# Allegro board IEM608_V10_211216.brd
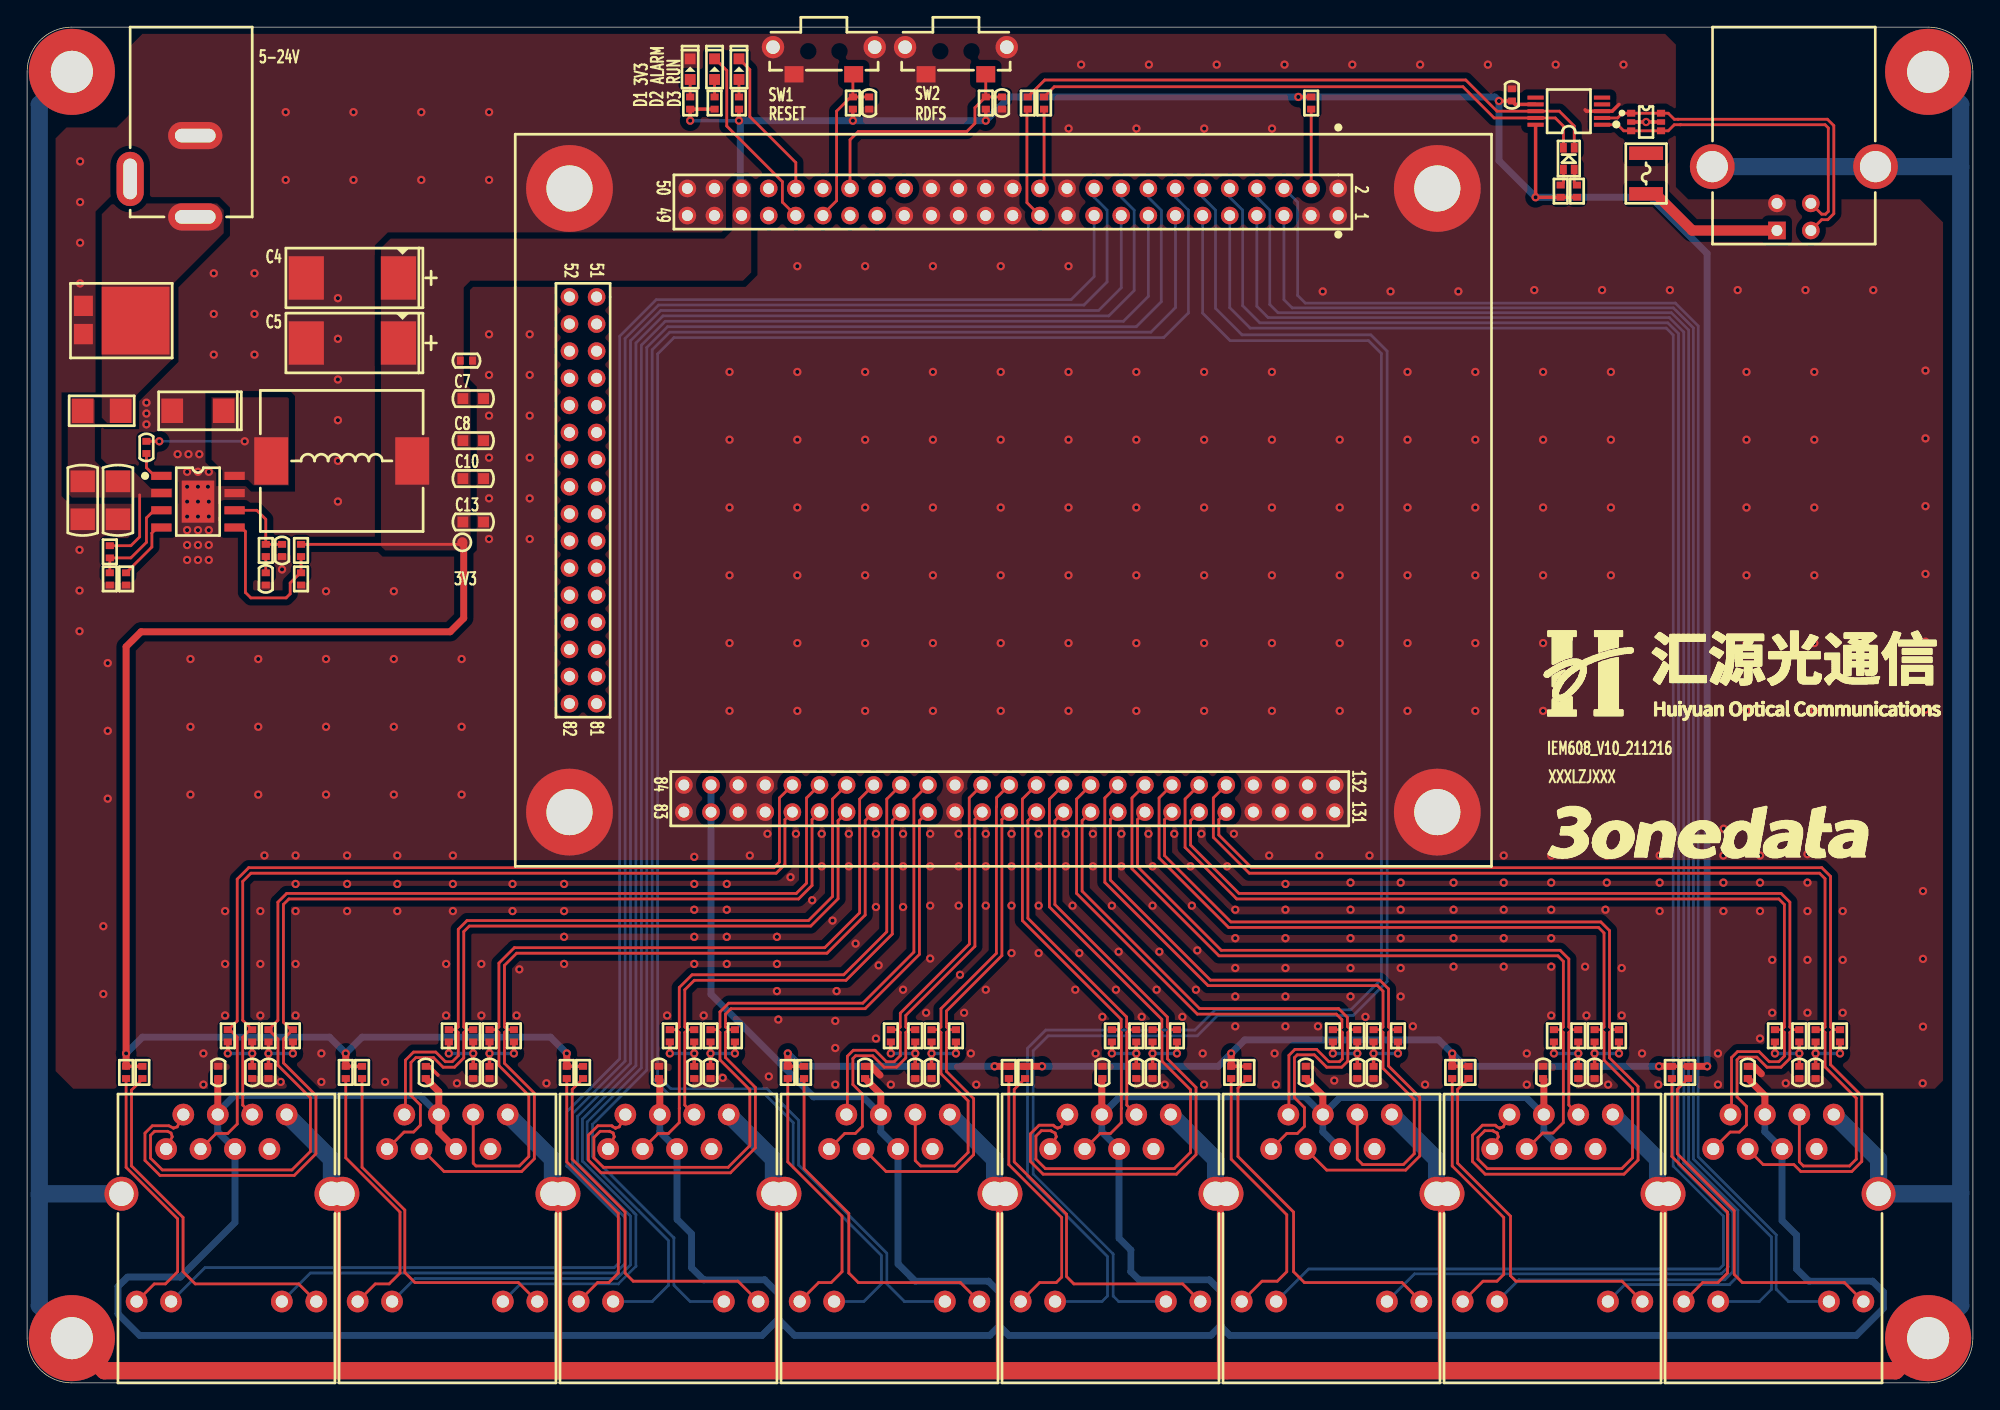
[diagram p0: board, top side]
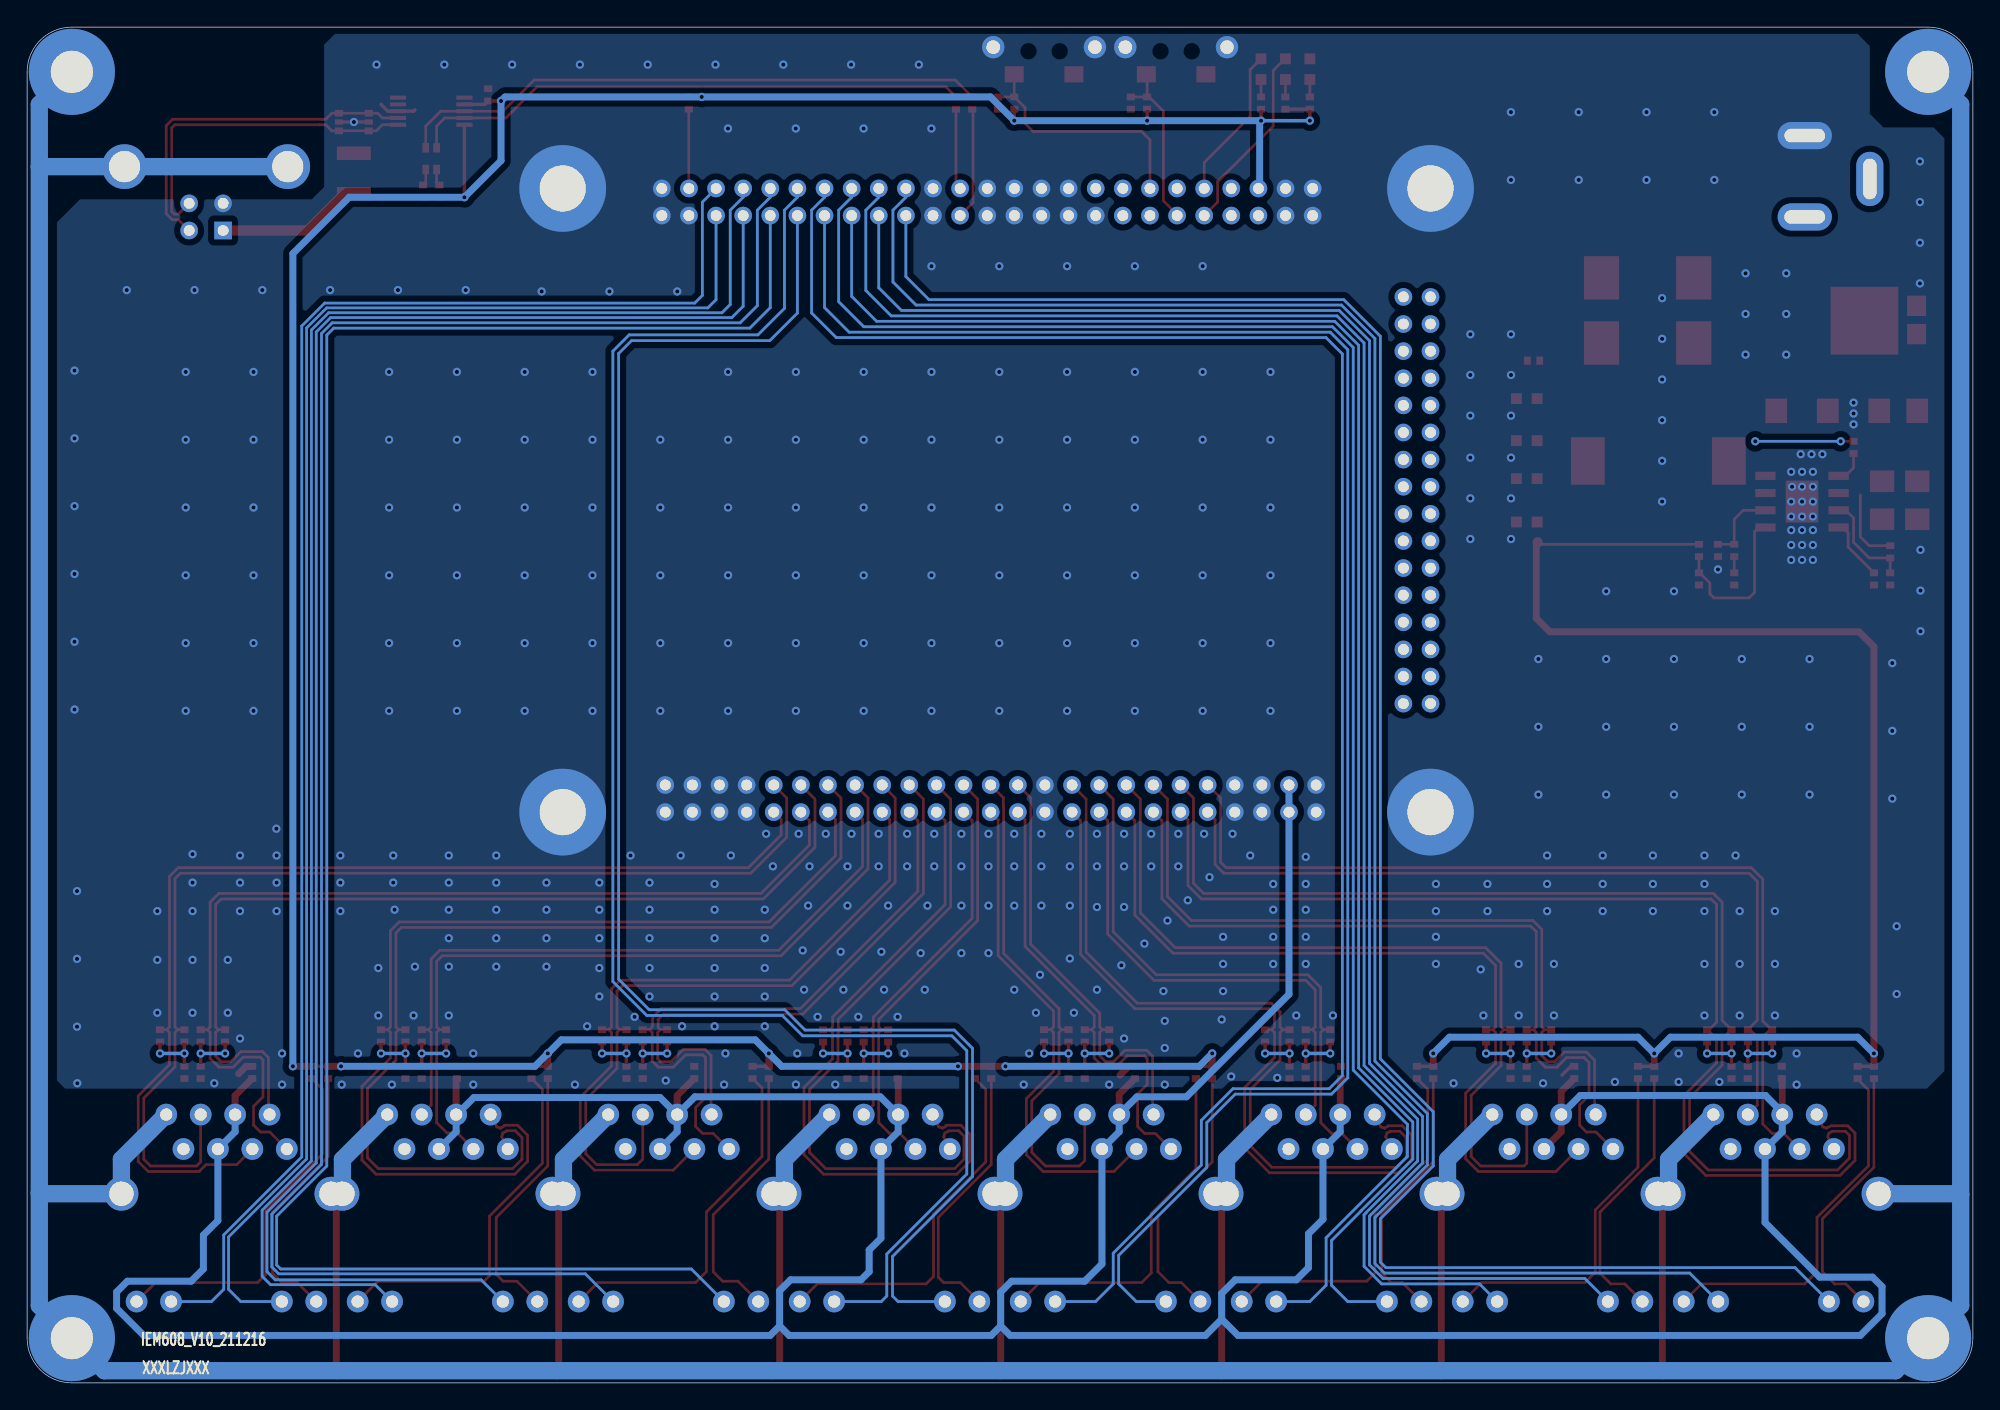
[diagram p1: board, bottom side, seen from below]

Outline 143.5 x 100 mm; copper layers: TOP, BOTTOM. Coordinates in mm from the lower left corner of the outline.
Outline path: 0,96.7 arc(0.97,99.03) 3.3,100 140.2,100 arc(142.53,99.03) 143.5,96.7 143.5,3.3 arc(142.53,0.97) 140.2,0 3.3,0 arc(0.97,0.97) 0,3.3 0,96.7

## Design rules (mm)
constraint set DEFAULT: min track width 0.203, pair gap 0.203
net group 1_RX: nets 1_RXN 1_RXP
net group 1_TX: nets 1_TXN 1_TXP
net group 2_RX: nets 2_RXN 2_RXP
net group 2_TX: nets 2_TXN 2_TXP
net group 3_RX: nets 3_RXN 3_RXP
net group 3_TX: nets 3_TXN 3_TXP
net group 4_RX: nets 4_RXN 4_RXP
net group 4_TX: nets 4_TXN 4_TXP
net group 5_RX: nets 5_RXN 5_RXP
net group 5_TX: nets 5_TXN 5_TXP
net group 6_RX: nets 6_RXN 6_RXP
net group 6_TX: nets 6_TXN 6_TXP
net group 7_RX: nets 7_RXN 7_RXP
net group 7_TX: nets 7_TXN 7_TXP
net group 8_RX: nets 8_RXN 8_RXP
net group 8_TX: nets 8_TXN 8_TXP
net group USB_D: nets USB_DN USB_DP

## Placement (name value [footprint] x y rotation side)
C1  100nF_50V  [C0402]  109.5 95 270 top
C2  100nF_50V  [C0402]  62.1 94.4 270 top
C3  100nF_50V  [C0402]  71.9 94.4 270 top
C4  100uF_10V_7343  [C7343E]  23.99 81.5 0 top
C5  100uF_10V_7343  [C7343E]  23.99 76.7 0 top
C6  100nF_50V  [C0402]  32.4 75.4 0 top
C7  10uF_10V  [C0603]  32.9 72.6 0 top
C8  10uF_10V  [C0603]  32.9 69.5 0 top
C9  100nF_50V  [C0402]  8.8 69 90 top
C10  10uF_10V  [C0603]  32.9 66.7 0 top
C11  10uF_50V  [C1206]  4.1 65.1 270 top
C12  10uF_50V  [C1206]  6.7 65.1 270 top
C13  10uF_10V  [C0603]  32.9 63.5 0 top
C14  47pF_50V  [C0402]  18.8 61.4 270 top
C15  10nF_50V  [C0402]  17.6 59.3 270 top
C16  100nF_50V  [C0402]  14.1 22.9 90 top
C17  100nF_50V  [C0402]  16.6 22.9 270 top
C18  100nF_50V  [C0402]  17.8 22.9 270 top
C19  100nF_50V  [C0402]  29.4 22.9 90 top
C20  100nF_50V  [C0402]  32.9 22.9 270 top
C21  100nF_50V  [C0402]  34.1 22.9 270 top
C22  100nF_50V  [C0402]  46.6 22.9 90 top
C23  100nF_50V  [C0402]  49.2 22.9 270 top
C24  100nF_50V  [C0402]  50.4 22.9 270 top
C25  100nF_50V  [C0402]  61.8 22.9 90 top
C26  100nF_50V  [C0402]  65.5 22.9 270 top
C27  100nF_50V  [C0402]  66.7 22.9 270 top
C28  100nF_50V  [C0402]  79.3 22.9 90 top
C29  100nF_50V  [C0402]  81.8 22.9 270 top
C30  100nF_50V  [C0402]  83 22.9 270 top
C31  100nF_50V  [C0402]  94.3 22.9 90 top
C32  100nF_50V  [C0402]  98.1 22.9 270 top
C33  100nF_50V  [C0402]  99.3 22.9 270 top
C34  100nF_50V  [C0402]  111.8 22.9 90 top
C35  100nF_50V  [C0402]  114.4 22.9 270 top
C36  100nF_50V  [C0402]  115.6 22.9 270 top
C37  100nF_50V  [C0402]  126.9 22.9 90 top
C38  100nF_50V  [C0402]  130.7 22.9 270 top
C39  100nF_50V  [C0402]  131.9 22.9 270 top
D1  GREEN-0603  [LED0603]  48.9 96.9 90 top
D2  GREEN-0603  [LED0603]  50.7 96.9 90 top
D3  GREEN-0603  [LED0603]  52.5 96.9 90 top
D4  -  [XL-2012SURUGC]  113.7 90.3 270 top
D5  V10P10  [TO-277A]  5.5 78.4 270 top
D6  SS56F  [SMAF]  12.6 71.7 0 top
DC1  -  [DC005]  12.4 92 270 top
F1  SMD1210-200  [FUSE1210]  119.4 89.2 90 top
F2  0469005.WR  [FUSE1206]  5.5 71.7 180 top
J1  -  [HR911105A]  14.7 10.9 270 top
J2  -  [HR911105A]  31 10.9 270 top
J3  -  [HR911105A]  47.3 10.9 270 top
J4  -  [HR911105A]  63.6 10.9 270 top
J5  -  [HR911105A]  79.9 10.9 270 top
J6  -  [HR911105A]  96.2 10.9 270 top
J7  -  [HR911105A]  112.5 10.9 270 top
J8  -  [HR911105A]  128.8 10.9 270 top
L1  SMMS1040-6R8  [L10040]  23.2 68 0 top
MH1  HOLD-M3/NI  [HOLD6R35X3R10]  3.3 96.7 0 top
MH2  HOLD-M3/NI  [HOLD6R35X3R10]  140.2 96.7 0 top
MH3  HOLD-M3/NI  [HOLD6R35X3R10]  3.3 3.3 0 top
MH4  HOLD-M3/NI  [HOLD6R35X3R10]  140.2 3.3 0 top
NOREF  -  []  0 0 90 top
NOREF#2  -  []  0 0 0 top
NOREF#3  -  []  0 0 0 top
NOREF#4  -  []  0 0 0 top
NOREF#5  -  []  0 0 90 top
NOREF#6  -  []  0 0 90 top
R1  1K  [R0402]  48.9 94.4 270 top
R2  1K  [R0402]  50.7 94.4 270 top
R3  1K  [R0402]  52.5 94.4 270 top
R4  10K  [R0402]  60.9 94.4 270 top
R5  10K  [R0402]  70.7 94.4 270 top
R6  1K  [R0402]  73.8 94.4 270 top
R7  1K  [R0402]  75 94.4 270 top
R8  10K  [R0402]  94.7 94.4 90 top
R9  1K  [R0402]  113.1 87.9 90 top
R10  1K  [R0402]  114.3 87.9 90 top
R11  10K  [R0402]  17.6 61.4 90 top
R12  31.6K  [R0402]  20.2 61.4 270 top
R13  300K  [R0402]  6.1 61.3 90 top
R14  75K  [R0402]  6.1 59.3 90 top
R15  162K  [R0402]  7.3 59.3 90 top
R16  10K  [R0402]  20.2 59.3 270 top
R17  49.9R  [R0402]  14.8 25.6 270 top
R18  49.9R  [R0402]  16.6 25.6 270 top
R19  49.9R  [R0402]  17.8 25.6 270 top
R20  49.9R  [R0402]  19.6 25.6 270 top
R21  49.9R  [R0402]  31.1 25.6 270 top
R22  49.9R  [R0402]  32.9 25.6 270 top
R23  49.9R  [R0402]  34.1 25.6 270 top
R24  49.9R  [R0402]  35.9 25.6 270 top
R25  49.9R  [R0402]  47.4 25.6 270 top
R26  49.9R  [R0402]  49.2 25.6 270 top
R27  49.9R  [R0402]  50.4 25.6 270 top
R28  49.9R  [R0402]  52.2 25.6 270 top
R29  49.9R  [R0402]  63.7 25.6 270 top
R30  49.9R  [R0402]  65.5 25.6 270 top
R31  49.9R  [R0402]  66.7 25.6 270 top
R32  49.9R  [R0402]  68.5 25.6 270 top
R33  49.9R  [R0402]  80 25.6 270 top
R34  49.9R  [R0402]  81.8 25.6 270 top
R35  49.9R  [R0402]  83 25.6 270 top
R36  49.9R  [R0402]  84.8 25.6 270 top
R37  49.9R  [R0402]  96.3 25.6 270 top
R38  49.9R  [R0402]  98.1 25.6 270 top
R39  49.9R  [R0402]  99.3 25.6 270 top
R40  49.9R  [R0402]  101.1 25.6 270 top
R41  49.9R  [R0402]  112.6 25.6 270 top
R42  49.9R  [R0402]  114.4 25.6 270 top
R43  49.9R  [R0402]  115.6 25.6 270 top
R44  49.9R  [R0402]  117.4 25.6 270 top
R45  49.9R  [R0402]  128.9 25.6 270 top
R46  49.9R  [R0402]  130.7 25.6 270 top
R47  49.9R  [R0402]  131.9 25.6 270 top
R48  49.9R  [R0402]  133.7 25.6 270 top
R49  1K  [R0402]  7.3 22.9 270 top
R50  1K  [R0402]  8.5 22.9 270 top
R51  1K  [R0402]  23.5 22.9 270 top
R52  1K  [R0402]  24.7 22.9 270 top
R53  1K  [R0402]  39.8 22.9 270 top
R54  1K  [R0402]  41 22.9 270 top
R55  1K  [R0402]  56.1 22.9 270 top
R56  1K  [R0402]  57.3 22.9 270 top
R57  1K  [R0402]  72.4 22.9 270 top
R58  1K  [R0402]  73.6 22.9 270 top
R59  1K  [R0402]  88.8 22.9 270 top
R60  1K  [R0402]  90 22.9 270 top
R61  1K  [R0402]  105.1 22.9 270 top
R62  1K  [R0402]  106.3 22.9 270 top
R63  1K  [R0402]  121.3 22.9 270 top
R64  1K  [R0402]  122.5 22.9 270 top
SW1  -  [K2-1112SW-A4SW-04]  58.76 98.22 0 top
SW2  -  [K2-1112SW-A4SW-04]  68.5 98.22 0 top
TP1  TP/NI  [TP-0R75]  32.1 62 0 top
U1  CH340E  [MSOP10]  113.7 93.8 90 top
U2  TPD4E1U06DCKR  [SOT363]  119.4 93 270 top
U3  -  [IEM608]  72 65.1 270 top
U4  TPS54340BDDAR  [SOIC8-3R10X2R40]  12.6 65 270 top
USB1  -  [USB-B]  130.3 85 90 top

## Library data of the parts
C1 C6 C16-C39 = CAP NP_2
C2 C3 = CAP NP
C4 C5 = TMP_154254
C7-C15 = CAP NP_3
D1-D3 = LED_4
D4 = XL-2012SURUGC
D5 = DIODE13_6
D6 = BZX84C15/SOT_2
DC1 = DC005
F1 F2 = FUSE
J1-J8 = CON_RJ45_1X8_F_RA_0
L1 = INDUCTOR_0
MH1-MH4 = Hold_1
R1-R64 = R_Generic
SW1 SW2 = SWITCH-SPST-4P
TP1 = TestPoint
U1 = CH340E
U2 = TPD4E1U06DBVR
U3 = IEM608_1
U4 = TPS54340DDAR
USB1 = USB-B

## Footprints (pads in the part's own frame, mm; a bottom-side part is the same pattern mirrored in y, then rotated)
C0402
  rect 0.5x0.6 smd: 1(-0.45,0) 2(0.45,0)
C0603
  rect 0.8x0.8 smd: 1(-0.762,0) 2(0.762,0)
C1206
  rect 1.6x1.8 smd: 1(-1.4,0) 2(1.4,0)
C7343E
  rect 2.6x3.2 smd: 1(3.4,0) 2(-3.4,0)
DC005
  oval 2x4 hole 1x3: 1(6,0) 2(0,0)
  oval 4x2 hole 3x1: 3(3.2,-4.8)
FUSE1206
  rect 1.6x1.8 smd: 1(-1.4,0) 2(1.4,0)
FUSE1210
  rect 1x2.5 smd: 1(-1.5,0) 2(1.5,0)
HOLD6R35X3R10
  round 6.35 hole 3.1: 1(0,0)
HR911105A
  round 1.6 hole 0.9: 1(-6.35,-4.45) 2(-8.89,-3.18) 3(-6.35,-1.91) 4(-8.89,-0.64) 5(-6.35,0.63) 6(-8.89,1.9) 7(-6.35,3.17) 8(-8.89,4.44) 9(4.9,-6.625) 10(4.9,-4.085) 11(4.9,4.085) 12(4.9,6.625)
  round 2.5 hole 1.8: 13(-3.05,-7.745) 14(-3.05,7.745)
IEM608
  round 1.3 hole 0.8: 1(-21,24.691) 2(-23,24.691) 3(-21,22.691) 4(-23,22.691) 5(-21,20.691) 6(-23,20.691) 7(-21,18.691) 8(-23,18.691) 9(-21,16.691) 10(-23,16.691) 11(-21,14.691) 12(-23,14.691) 13(-21,12.691) 14(-23,12.691) 15(-21,10.691) 16(-23,10.691) 17(-21,8.691) 18(-23,8.691) 19(-21,6.691) 20(-23,6.691) 21(-21,4.691) 22(-23,4.691) 23(-21,2.691) 24(-23,2.691) 25(-21,0.691) 26(-23,0.691) 27(-21,-1.309) 28(-23,-1.309) 29(-21,-3.309) 30(-23,-3.309) 31(-21,-5.309) 32(-23,-5.309) 33(-21,-7.309) 34(-23,-7.309) 35(-21,-9.309) 36(-23,-9.309) 37(-21,-11.309) 38(-23,-11.309) 39(-21,-13.309) 40(-23,-13.309) 41(-21,-15.309) 42(-23,-15.309) 43(-21,-17.309) 44(-23,-17.309) 45(-21,-19.309) 46(-23,-19.309) 47(-21,-21.309) 48(-23,-21.309) 49(-21,-23.309) 50(-23,-23.309) 51(-15,-30) 52(-15,-32) 53(-13,-30) 54(-13,-32) 55(-11,-30) 56(-11,-32) 57(-9,-30) 58(-9,-32) 59(-7,-30) 60(-7,-32) 61(-5,-30) 62(-5,-32) 63(-3,-30) 64(-3,-32) 65(-1,-30) 66(-1,-32) 67(1,-30) 68(1,-32) 69(3,-30) 70(3,-32) 71(5,-30) 72(5,-32) 73(7,-30) 74(7,-32) 75(9,-30) 76(9,-32) 77(11,-30) 78(11,-32) 79(13,-30) 80(13,-32) 81(15,-30) 82(15,-32) 83(23,-23.563) 84(21,-23.563) 85(23,-21.563) 86(21,-21.563) 87(23,-19.563) 88(21,-19.563) 89(23,-17.563) 90(21,-17.563) 91(23,-15.563) 92(21,-15.563) 93(23,-13.563) 94(21,-13.563) 95(23,-11.563) 96(21,-11.563) 97(23,-9.563) 98(21,-9.563) 99(23,-7.563) 100(21,-7.563) 101(23,-5.563) 102(21,-5.563) 103(23,-3.563) 104(21,-3.563) 105(23,-1.563) 106(21,-1.563) 107(23,0.437) 108(21,0.437) 109(23,2.437) 110(21,2.437) 111(23,4.437) 112(21,4.437) 113(23,6.437) 114(21,6.437) 115(23,8.437) 116(21,8.437) 117(23,10.437) 118(21,10.437) 119(23,12.437) 120(21,12.437) 121(23,14.437) 122(21,14.437) 123(23,16.437) 124(21,16.437) 125(23,18.437) 126(21,18.437) 127(23,20.437) 128(21,20.437) 129(23,22.437) 130(21,22.437) 131(23,24.437) 132(21,24.437)
  round 6.4 hole 3.4: 133(-23,-32) 134(23,-32) 135(23,32) 136(-23,32)
K2-1112SW-A4SW-04
  round 1.65 hole 1: 1(-3.75,0.3) 4(3.75,0.3)
  rect 1.4x1.2 smd: 2(-2.2,-1.7) 3(2.2,-1.7)
L10040
  rect 2.5x3.5 smd: 1(-5.2,0) 2(5.2,0)
LED0603
  rect 0.8x0.8 smd: 1(-0.762,0) 2(0.762,0)
MSOP10
  rect 0.3x1.2 smd: 1(-1,-2.45) 2(-0.5,-2.45) 3(0,-2.45) 4(0.5,-2.45) 5(1,-2.45) 6(1,2.45) 7(0.5,2.45) 8(0,2.45) 9(-0.5,2.45) 10(-1,2.45)
R0402
  rect 0.5x0.6 smd: 1(-0.45,0) 2(0.45,0)
SMAF
  rect 1.6x1.8 smd: 1(-1.9,0) 2(1.9,0)
SOIC8-3R10X2R40
  rect 0.6x1.5 smd: 1(-1.9,-2.7) 2(-0.63,-2.7) 3(0.64,-2.7) 4(1.91,-2.7) 5(1.91,2.7) 6(0.64,2.7) 7(-0.63,2.7) 8(-1.9,2.7)
  rect 3.1x2.4 smd: 9(0,0)
SOT363
  rect 0.5x0.6 smd: 1(-0.65,-1.1) 3(0.65,-1.1) 4(0.65,1.1) 6(-0.65,1.1)
  rect 0.4x0.6 smd: 2(0,-1.1) 5(0,1.1)
TO-277A
  rect 1.5x1.4 smd: 1(-1.04,-1.35) 2(1.04,-1.35)
  rect 5x5 smd: 3(0.05,2.5)
TP-0R75
  round 0.75 smd: 1(0,0)
USB-B
  rect 1.3x1.3 hole 0.8: 1(0,1.25)
  round 1.3 hole 0.8: 2(0,-1.25) 3(2,-1.25) 4(2,1.25)
  round 3.3 hole 2.3: 5(4.71,6.02) 6(4.71,-6.02)
XL-2012SURUGC
  rect 0.7x0.5 smd: 1(-0.8,0.4) 2(0.8,0.4) 3(-0.8,-0.4) 4(0.8,-0.4)

## Nets
GND: C1.1 C2.2 C3.2 C4.2 C5.2 C6.2 C7.2 C8.2 C10.2 C11.2 C12.2 C13.2 C14.2 C15.2 C16.2 C17.2 C18.2 C19.2 C20.2 C21.2 C22.2 C23.2 C24.2 C25.2 C26.2 C27.2 C28.2 C29.2 C30.2 C31.2 C32.2 C33.2 C34.2 C35.2 C36.2 C37.2 C38.2 C39.2 D1.2(CATHODE) D5.1 D5.2 D6.1 DC1.2 R14.1 R15.1 R16.2 SW1.1 SW1.2 SW1.4 SW2.1 SW2.2 SW2.4 U1.3 U2.2 U2.5(NC) U3.1 U3.2 U3.3 U3.21 U3.22 U3.25 U3.26 U3.27 U3.28 U3.29 U3.30 U3.31 U3.32 U3.33 U3.47 U3.48 U3.49 U3.50 U3.83 U3.84 U3.87 U3.88 U3.89 U3.90 U3.103 U3.104 U3.125 U3.126 U3.127 U3.128 U3.129 U3.130 U3.131 U3.132 U3.133 U3.134 U3.135 U3.136 U4.7 U4.9 USB1.4
GND_EARTH: J1.8 J1.13 J1.14 J2.8 J2.13 J2.14 J3.8 J3.13 J3.14 J4.8 J4.13 J4.14 J5.8 J5.13 J5.14 J6.8 J6.13 J6.14 J7.8 J7.13 J7.14 J8.8 J8.13 J8.14 MH1.1 MH2.1 MH3.1 MH4.1 USB1.5 USB1.6
VCC_3.3V: C1.2 C4.1 C5.1 C6.1 C7.1 C8.1 C10.1 C13.1 L1.2 R1.2 R2.2 R3.2 R4.2 R5.2 R8.2 R9.1 R10.1 R12.1 R49.1 R50.1 R51.1 R52.1 R53.1 R54.1 R55.1 R56.1 R57.1 R58.1 R59.1 R60.1 R61.1 R62.1 R63.1 R64.1 TP1.1 U1.7(VCC) U1.10 U3.45 U3.46(VIN2)
VCC_24V: C11.1 C12.1 F2.2 R13.2 U4.2(VIN)
VCC_USB_5V: F1.2
VCC_VCT25: C16.1 C19.1 C22.1 C25.1 C28.1 C31.1 C34.1 C37.1 J1.4 J1.5 J2.4 J2.5 J3.4 J3.5 J4.4 J4.5 J5.4 J5.5 J6.4 J6.5 J7.4 J7.5 J8.4 J8.5 U3.85 U3.86
VCC_VIN: D5.3(CATHODE) DC1.1 F2.1
1_RXN: J1.6 R18.1 U3.91
1_RXP: J1.3 R17.1 U3.92
1_TXN: J1.2 R20.1 U3.93
1_TXP: J1.1(TXP1) R19.1 U3.94
2_RXN: J2.6 R23.1 U3.98
2_RXP: J2.3 R24.1 U3.97
2_TXN: J2.2 R21.1 U3.96
2_TXP: J2.1(TXP1) R22.1 U3.95
3_RXN: J3.6 R26.1 U3.99
3_RXP: J3.3 R25.1 U3.100
3_TXN: J3.2 R28.1 U3.101
3_TXP: J3.1(TXP1) R27.1 U3.102
4_RXN: J4.6 R31.1 U3.108
4_RXP: J4.3 R32.1 U3.107
4_TXN: J4.2 R29.1 U3.106
4_TXP: J4.1(TXP1) R30.1 U3.105
5_RXN: J5.6 R34.1 U3.109
5_RXP: J5.3 R33.1 U3.110
5_TXN: J5.2 R36.1 U3.111
5_TXP: J5.1(TXP1) R35.1 U3.112
6_RXN: J6.6 R39.1 U3.116
6_RXP: J6.3 R40.1 U3.115
6_TXN: J6.2 R37.1 U3.114
6_TXP: J6.1(TXP1) R38.1 U3.113
7_RXN: J7.6 R42.1 U3.117
7_RXP: J7.3 R41.1 U3.118
7_TXN: J7.2 R44.1 U3.119
7_TXP: J7.1(TXP1) R43.1 U3.120
8_RXN: J8.6 R47.1 U3.124
8_RXP: J8.3 R48.1 U3.123
8_TXN: J8.2 R45.1 U3.122
8_TXP: J8.1(TXP1) R46.1 U3.121
ALARM_LED: D2.2(CATHODE) U3.41
CH340E_RXD: D4.3 R7.1 U1.9
CH340E_TXD: D4.1(R-) R6.1 U1.8
LINK1: J1.11 U3.20
LINK2: J2.11 U3.18
LINK3: J3.11 U3.16
LINK4: J4.11 U3.14
LINK5: J5.11 U3.12
LINK6: J6.11 U3.10
LINK7: J7.11 U3.8
LINK8: J8.11 U3.6
RDFS: C3.1 R5.1 SW2.3 U3.38
RESET: C2.1 R4.1 SW1.3 U3.39
RUN_LED: D3.2(CATHODE) U3.42
RXD: R6.2 U3.23
SPEED1: J1.10 U3.19
SPEED2: J2.10 U3.17
SPEED3: J3.10 U3.15
SPEED4: J4.10 U3.13
SPEED5: J5.10 U3.11
SPEED6: J6.10 U3.9
SPEED7: J7.10 U3.7
SPEED8: J8.10 U3.5
TXD: R7.2 U3.24
USB_DN: U1.2 U2.1 U2.6 USB1.2
USB_DP: U1.1 U2.3 U2.4 USB1.3
N17243835: J1.9 R49.2
N17243925: C18.1 R19.2 R20.2
N17244178: C17.1 R17.2 R18.2
N17244218: R8.1 U3.4
N17244260: J1.12 R50.2
N17245776: D3.1 R3.1
N17245842: D1.1 R1.1
N17259643: D2.1 R2.1
N17264393: J2.9 R51.2
N17264424: C20.1 R21.2 R22.2
N17264495: C21.1 R23.2 R24.2
N17264552: J2.12 R52.2
N17265098: J3.9 R53.2
N17265129: C24.1 R27.2 R28.2
N17265200: C23.1 R25.2 R26.2
N17265257: J3.12 R54.2
N17265849: J4.9 R55.2
N17265880: C26.1 R29.2 R30.2
N17265951: C27.1 R31.2 R32.2
N17266008: J4.12 R56.2
N17267896: J5.9 R57.2
N17267927: C30.1 R35.2 R36.2
N17267998: C29.1 R33.2 R34.2
N17268055: J5.12 R58.2
N17268110: J6.9 R59.2
N17268141: C32.1 R37.2 R38.2
N17268212: C33.1 R39.2 R40.2
N17268269: J6.12 R60.2
N17268324: J7.9 R61.2
N17268355: C36.1 R43.2 R44.2
N17268426: C35.1 R41.2 R42.2
N17268483: J7.12 R62.2
N17268538: J8.9 R63.2
N17268569: C38.1 R45.2 R46.2
N17268640: C39.1 R47.2 R48.2
N17268697: J8.12 R64.2
N17279105: F1.1 USB1.1(VBUS)
N17279741: D4.4 R9.2
N17279744: D4.2 R10.2
N17285725: C9.1 U4.1
N17285729: C9.2 D6.2(CATHODE) L1.1 U4.8
N17285842: R12.2 R16.1 U4.5
N17285882: R13.1 R14.2 U4.3
N17285886: C14.1 R11.2 U4.6
N17285910: R15.2 U4.4
N17285968: C15.1 R11.1

Pads without a net: DC1 3; J1 7; J2 7; J3 7; J4 7; J5 7; J6 7; J7 7; J8 7; U1 4 5 6; U3 34 35 36 37 40 43 44 51 52 53 54 55 56 57 58 59 60 61 62 63 64 65 66 67 68 69 70 71 72 73 74 75 76 77 78 79 80 81 82

## Via types
v1: diameter 0.61, hole 0.305, TOP to BOTTOM, 494 vias

## Routing (per net, layer and track width the routed paths; a pad name or vN(x,y) marks a point on that pad's centre or on a via; arc(x,y) is an arc through that point)
GND: length 8.7
  TOP w0.254: 30.3,22.7 29.65,23.35 C19.2 ; U2.5 v1(119.4,93) U2.2 ; 114.9,93.9 115,93.8 U1.3 116.9,93.8 117.4,94.3
  TOP w0.508: C37.2 127.35,23.35 127.9,22.8 ; C25.2 62.25,23.35 62.9,22.7
  vias: v1(3.91,90.1) v1(3.91,87.1) v1(3.91,84.1) v1(3.91,81.1) v1(3.87,61.44) v1(3.87,58.44) v1(3.87,55.44) v1(5.62,33.68) v1(5.62,28.68) v1(5.95,53.09) v1(5.95,48.09) v1(5.95,43.09) v1(8.8,72.3) v1(8.8,71.5) v1(8.8,70.7) v1(11.1,68.5) v1(11.8,67.2) v1(11.8,66.1) v1(11.8,65) v1(11.8,63.9) v1(11.8,62.9) v1(11.8,61.8) v1(11.8,60.7) v1(11.9,68.5) v1(12.05,53.39) v1(12.05,48.39) v1(12.05,43.39) v1(12.6,67.2) v1(12.6,66.1) v1(12.6,65) v1(12.6,63.9) v1(12.6,62.9) v1(12.6,61.8) v1(12.6,60.7) v1(12.7,68.5) v1(13,24.3) v1(13,22) v1(13.34,66.1) v1(13.4,67.2) v1(13.4,65) v1(13.4,63.9) v1(13.4,62.9) v1(13.4,61.8) v1(13.4,60.7) v1(13.77,81.84) v1(13.77,78.84) v1(13.77,75.84) v1(14.6,34.8) v1(14.6,30.9) v1(14.6,27.1) v1(16.77,81.84) v1(16.77,78.84) v1(16.77,75.84) v1(17.05,53.39) v1(17.05,48.39) v1(17.05,43.39) v1(17.2,34.8) v1(17.2,30.9) v1(17.2,27.1) v1(17.5,38.9) v1(18.7,22.2) v1(18.8,60) v1(19.07,93.73) v1(19.07,88.73) v1(19.8,38.9) v1(19.8,36.8) v1(19.8,34.8) v1(19.8,30.9) v1(19.8,27.1) v1(21.7,24.3) v1(21.7,22.2) v1(22.05,58.39) v1(22.05,53.39) v1(22.05,48.39) v1(22.05,43.39) v1(22.92,80.01) v1(22.92,77.01) v1(22.92,74.01) v1(22.92,71.01) v1(22.92,68.01) v1(22.92,65.01) v1(23.6,38.9) v1(23.6,36.8) v1(23.6,34.8) v1(24.07,93.73) v1(24.07,88.73) v1(26.4,22.2) v1(27.05,58.39) v1(27.05,53.39) v1(27.05,48.39) v1(27.05,43.39) v1(27.3,38.9) v1(27.3,36.8) v1(27.3,34.8) v1(29.07,93.73) v1(29.07,88.73) v1(30.9,30.9) v1(30.9,27.1) v1(31.4,38.9) v1(31.4,36.8) v1(31.4,34.8) v1(31.7,22.1) v1(32.05,53.39) v1(32.05,48.39) v1(32.05,43.39) v1(33.5,30.9) v1(33.5,27.1) v1(34.07,93.73) v1(34.07,88.73) v1(34.07,77.34) v1(34.07,74.34) v1(34.07,71.34) v1(34.07,68.24) v1(34.07,65.24) v1(34.07,62.24) v1(35.8,36.8) v1(35.8,34.8) v1(36.1,27.1) v1(36.3,30.5) v1(37.07,77.34) v1(37.07,74.34) v1(37.07,71.34) v1(37.07,68.24) v1(37.07,65.24) v1(37.07,62.24) v1(38.3,22.1) v1(39.6,36.8) v1(39.6,34.8) v1(39.6,32.9) v1(39.6,30.9) v1(47.2,27.1) v1(49.2,38.8) v1(49.2,36.8) v1(49.2,34.9) v1(49.2,32.9) v1(49.2,30.9) v1(49.9,27.1) v1(51.3,22.5) v1(51.6,36.8) v1(51.6,34.9) v1(51.6,32.9) v1(51.6,30.9) v1(51.8,74.57) v1(51.8,69.57) v1(51.8,64.57) v1(51.8,59.57) v1(51.8,54.57) v1(51.8,49.57) v1(53.3,38.9) v1(54.6,40.5) v1(54.7,22.6) v1(55.3,32.9) v1(55.3,30.9) v1(55.3,28.9) v1(55.4,26.8) v1(56.3,37.3) v1(56.7,40.5) v1(56.8,82.37) v1(56.8,74.57) v1(56.8,69.57) v1(56.8,64.57) v1(56.8,59.57) v1(56.8,54.57) v1(56.8,49.57) v1(57.9,35.6) v1(58.6,40.5) v1(58.6,38.1) v1(59.4,34.1) v1(59.6,26.7) v1(59.6,24.7) v1(59.6,22) v1(59.7,28.9) v1(60.6,40.5) v1(60.6,38.1) v1(61.1,32.4) v1(61.8,82.37) v1(61.8,74.57) v1(61.8,69.57) v1(61.8,64.57) v1(61.8,59.57) v1(61.8,54.57) v1(61.8,49.57) v1(62.6,40.5) v1(62.6,38.1) v1(62.6,35.1) v1(62.6,25.4) v1(62.8,30.8) v1(63.7,22) v1(64.6,40.5) v1(64.6,38.1) v1(64.6,35.1) v1(64.6,29) v1(66.3,27.3) v1(66.6,40.5) v1(66.6,38.1) v1(66.6,35.2) v1(66.6,31.3) v1(66.8,82.37) v1(66.8,74.57) v1(66.8,69.57) v1(66.8,64.57) v1(66.8,59.57) v1(66.8,54.57) v1(66.8,49.57) v1(68.7,40.5) v1(68.7,38.1) v1(68.7,35.2) v1(68.8,30.1) v1(69.1,27.3) v1(69.6,24.3) v1(70,22) v1(70.7,40.5) v1(70.7,38.1) v1(70.7,35.2) v1(70.7,29) v1(71.8,82.37) v1(71.8,74.57) v1(71.8,69.57) v1(71.8,64.57) v1(71.8,59.57) v1(71.8,54.57) v1(71.8,49.57) v1(72.6,40.5) v1(72.6,38.1) v1(72.6,35.2) v1(72.6,31.7) v1(74.6,40.5) v1(74.6,38.1) v1(74.6,35.2) v1(74.6,31.7) v1(76.6,40.5) v1(76.6,38.1) v1(76.81,92.52) v1(76.8,82.37) v1(76.8,74.57) v1(76.8,69.57) v1(76.8,64.57) v1(76.8,59.57) v1(76.8,54.57) v1(76.8,49.57) v1(77.1,35.2) v1(77.3,29) v1(77.6,31.7) v1(77.73,97.23) v1(78.6,40.5) v1(78.6,38.1) v1(78.8,24.3) v1(79.3,27) v1(80,35.2) v1(80.3,29) v1(80.5,31.8) v1(80.7,40.5) v1(80.7,38.1) v1(81.81,92.52) v1(81.8,74.57) v1(81.8,69.57) v1(81.8,64.57) v1(81.8,59.57) v1(81.8,54.57) v1(81.8,49.57) v1(82.2,27) v1(82.73,97.23) v1(82.7,40.5) v1(83,38.1) v1(83,35.2) v1(83.3,29) v1(83.5,31.8) v1(83.9,22) v1(84.6,40.5) v1(85.2,27) v1(85.8,38.1) v1(85.9,35.2) v1(86.2,29) v1(86.3,31.9) v1(86.6,40.5) v1(86.7,24.3) v1(86.81,92.52) v1(86.8,74.57) v1(86.8,69.57) v1(86.8,64.57) v1(86.8,59.57) v1(86.8,54.57) v1(86.8,49.57) v1(86.8,22) v1(87.73,97.23) v1(88.5,38.1) v1(89,40.5) v1(89.1,34.9) v1(89.1,32.8) v1(89.1,30.6) v1(89.1,28.5) v1(89.1,26.3) v1(91.6,38.9) v1(91.81,92.52) v1(91.8,74.57) v1(91.8,69.57) v1(91.8,64.57) v1(91.8,59.57) v1(91.8,54.57) v1(91.8,49.57) v1(92,24.3) v1(92.1,22) v1(92.73,97.23) v1(92.8,36.8) v1(92.8,34.9) v1(92.8,32.8) v1(92.8,30.6) v1(92.8,28.5) v1(92.8,26.3) v1(95.2,26.3) v1(95.3,38.9) v1(95.55,80.5) v1(96.4,22.3) v1(96.8,69.57) v1(96.8,64.57) v1(96.8,59.57) v1(96.8,54.57) v1(96.8,49.57) v1(97.6,36.9) v1(97.6,34.9) v1(97.6,32.8) v1(97.6,30.6) v1(97.6,28.5) v1(97.73,97.23) v1(98.7,27) v1(99,38.9) v1(100.55,80.5) v1(101.3,36.9) v1(101.3,34.9) v1(101.3,32.8) v1(101.3,30.6) v1(101.3,28.5) v1(101.8,74.57) v1(101.8,69.57) v1(101.8,64.57) v1(101.8,59.57) v1(101.8,54.57) v1(101.8,49.57) v1(102.2,26.3) v1(102.73,97.23) v1(103.1,22) v1(105.2,36.9) v1(105.2,34.9) v1(105.2,32.8) v1(105.2,30.7) v1(105.55,80.5) v1(106.8,74.57) v1(106.8,69.57) v1(106.8,64.57) v1(106.8,59.57) v1(106.8,54.57) v1(106.8,49.57) v1(107.73,97.23) v1(108.9,38.9) v1(108.9,36.9) v1(108.9,34.9) v1(108.9,32.8) v1(108.9,30.7) v1(110.6,24.3) v1(110.6,22) v1(111.15,80.6) v1(111.8,74.57) v1(111.8,69.57) v1(111.8,64.57) v1(111.8,59.57) v1(111.8,54.57) v1(111.8,49.57) v1(112.4,38.9) v1(112.4,36.9) v1(112.4,34.9) v1(112.4,32.8) v1(112.4,30.7) v1(112.4,27.1) v1(112.73,97.23) v1(114.9,30.7) v1(115,27.1) v1(116.15,80.6) v1(116.4,34.9) v1(116.5,38.9) v1(116.5,36.9) v1(116.6,22) v1(116.8,74.57) v1(116.8,69.57) v1(116.8,64.57) v1(116.8,59.57) v1(116.8,54.57) v1(116.8,49.57) v1(117.6,30.6) v1(117.6,27.1) v1(117.73,97.23) v1(119.1,24.3) v1(120.3,22) v1(120.4,38.9) v1(120.4,36.9) v1(120.4,34.8) v1(121.15,80.6) v1(124.7,24.3) v1(124.7,22) v1(125.12,40.88) v1(125.1,38.9) v1(125.1,36.9) v1(125.1,34.8) v1(126.15,80.6) v1(126.8,74.57) v1(126.8,69.57) v1(126.8,64.57) v1(126.8,59.57) v1(126.8,54.57) v1(126.8,49.57) v1(127.8,38.9) v1(127.8,36.9) v1(127.8,34.8) v1(127.8,25.4) v1(128.7,31.2) v1(128.7,27.3) v1(129.7,22.1) v1(131.15,80.6) v1(131.3,39) v1(131.3,36.9) v1(131.3,34.8) v1(131.3,31.2) v1(131.3,27.3) v1(131.8,74.57) v1(131.8,69.57) v1(131.8,64.57) v1(131.8,59.57) v1(131.8,54.57) v1(131.8,49.57) v1(133.9,34.8) v1(133.9,31.2) v1(133.9,27.3) v1(136.15,80.6) v1(139.82,36.27) v1(139.82,31.27) v1(139.82,26.27) v1(139.8,22.1) v1(140,74.67) v1(140,69.67) v1(140,64.67) v1(140,59.67) v1(140,54.67) v1(140,49.67)